# Altium PCB AC_controller_v1_0.PcbDoc (part 1 of 2)
Units mm, origin at the board's own origin, x right, y up, seen from the top; angles counter-clockwise.
Board outline 100 x 100 mm, 2 copper layers (Top Layer, Bottom Layer), stack 1.671 mm thick; 109 components, 91 nets, 361 pads, 43 vias.
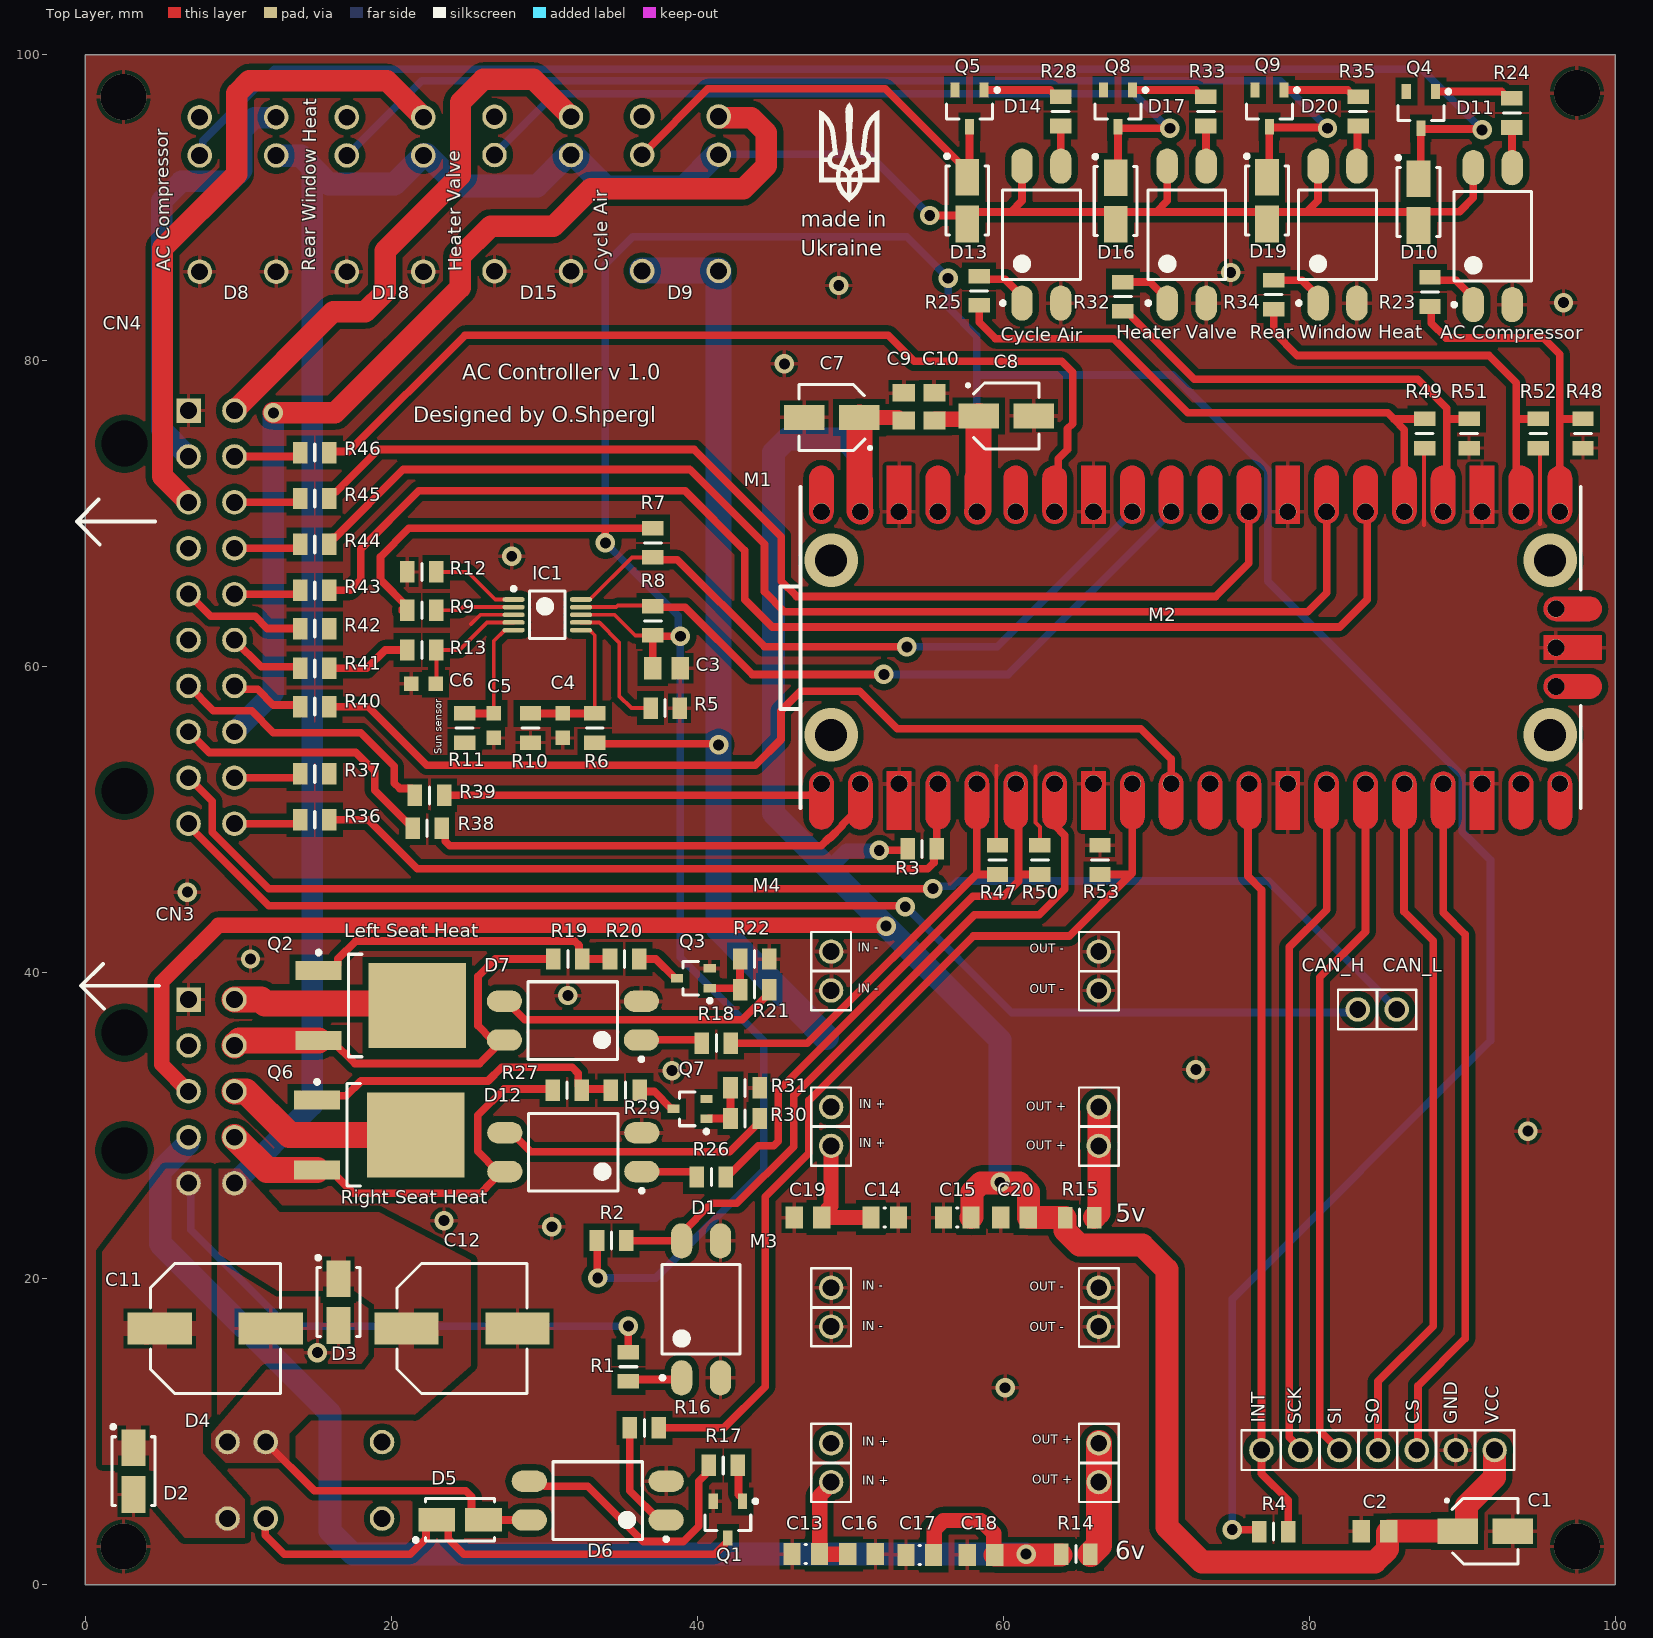
[diagram p0: Top Layer view]
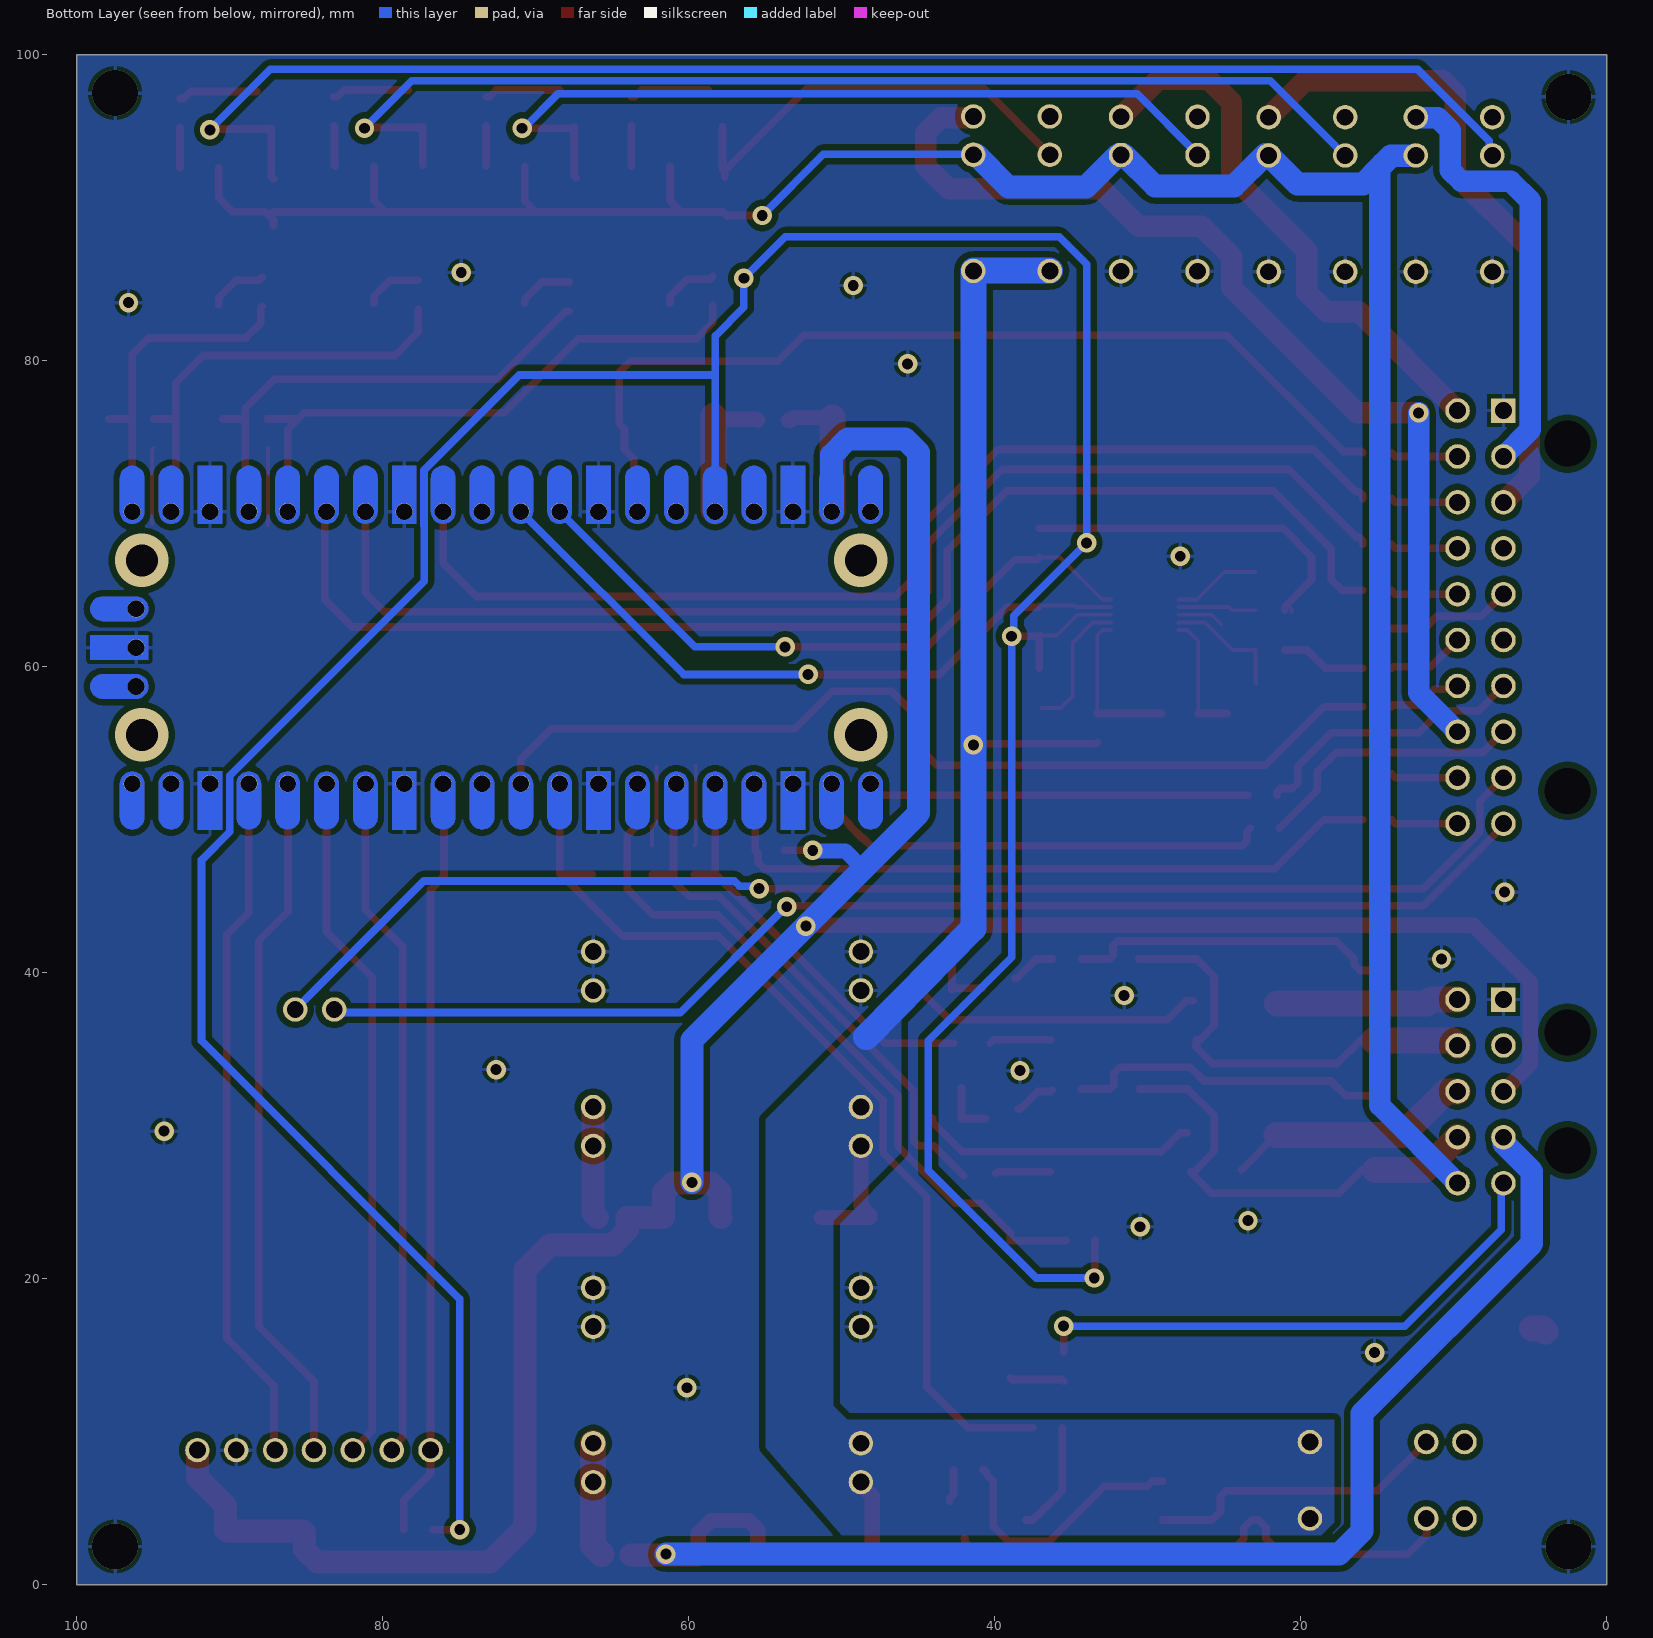
[diagram p1: Bottom Layer view, seen from below]
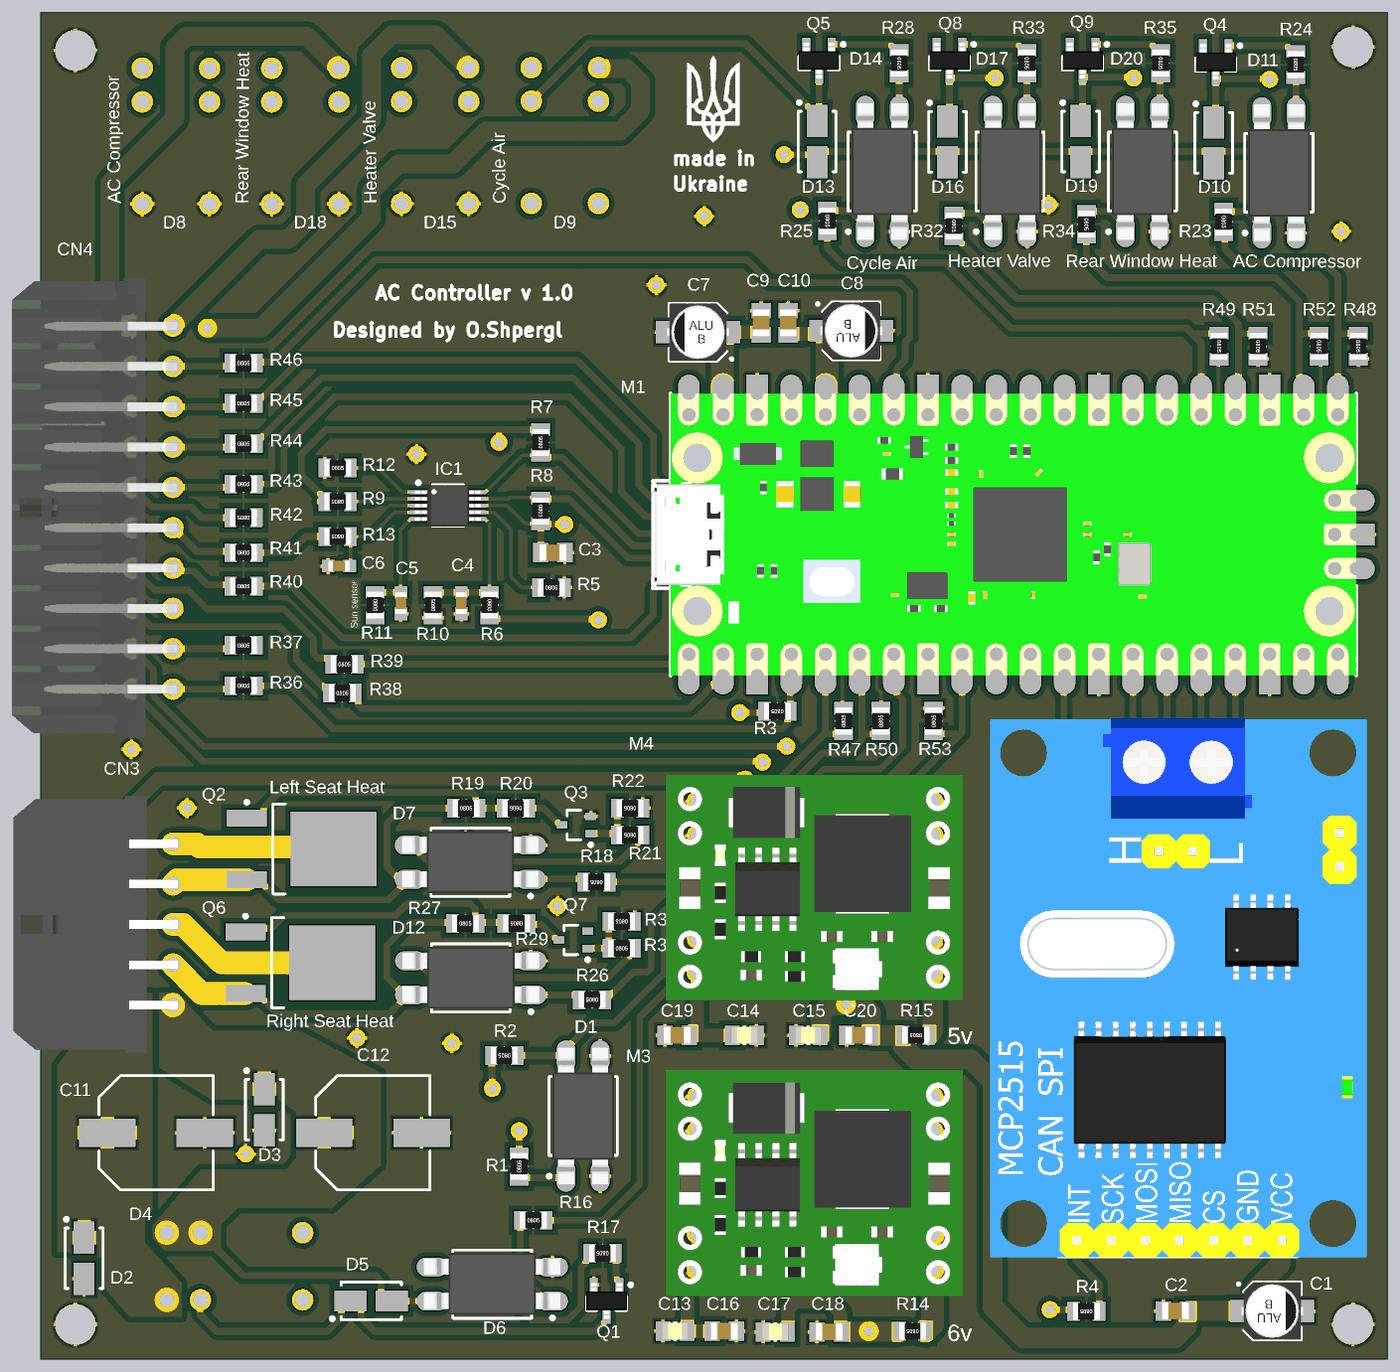
[diagram p3: 3D render of the assembled board from above, using the file's embedded part models]

## Layer stack, top to bottom
Top Solder: solder mask 0.0102, Solder Resist, Dk 3.5
Top Layer: signal copper 0.0356
Dielectric 1: dielectric 1.6, FR-4, Dk 4.8
Bottom Layer: signal copper 0.0356
Bottom Solder: solder mask 0.0102, Solder Resist, Dk 3.5

## Board outline
0,0 0,99.999 100,99.999 100,0

## Design rules (kind name [scope] priority, off if disabled: settings)
Clearance GND-polygon [InNamedPolygon('GND_L02_P005', 'GND_L01_P006')] p1: gap=0.4 ignorepadtopadclearanceinfootprint=FALSE
Clearance [All] p2: gap=0.2 ignorepadtopadclearanceinfootprint=FALSE
HoleSize [All] p1: absolutevalues=TRUE maxlimit=5 minlimit=0.3 maxpercent=80.000 minpercent=20.000
MinimumSolderMaskSliver [All] p1: minsoldermaskwidth=0.2
PolygonConnect GND-connection [All vs IsNamedPolygon('GND_L02_P005', 'GND_L01_P006')] p1: connectstyle=Relief reliefconductorwidth=0.254 reliefentries=4 polygonreliefangle="90 Angle" airgapwidth=0.254
PolygonConnect [All] p2: thpad.connectstyle=Direct thpad.reliefconductorwidth=0.254 thpad.reliefentries=4 thpad.polygonreliefangle="90 Angle" thpad.airgapwidth=0.254 smdpad.connectstyle=Relief smdpad.reliefconductorwidth=1 smdpad.reliefentries=4 smdpad.polygonreliefangle="90 Angle" smdpad.airgapwidth=0.254 via.connectstyle=Direct via.reliefconductorwidth=0.254 via.reliefentries=4 via.polygonreliefangle="90 Angle" via.airgapwidth=0.254
RoutingVias [All] p1: holewidth=0.711 width=1.27 viastyle="Through Hole" minholewidth=0.711 minwidth=1.27 maxholewidth=0.711 maxwidth=1.27
SilkToSolderMaskClearance [IsPad] p1: minsilkscreentomaskgap=0.1 clearancetoexposedcopper=TRUE
SolderMaskExpansion [All] p1: expansion=0.102 istentingtop=FALSE
Width [All] p1: maxlimit=1.7 minlimit=0.254 preferedwidth=0.254
Width VCC-RELAY-OUT [All] p2: maxlimit=1.7 minlimit=0.5 preferedwidth=1
Width VCC-IN [All] p3: maxlimit=1.7 minlimit=1 preferedwidth=1.5
Width ACC-IN [All] p4: maxlimit=1.7 minlimit=0.5 preferedwidth=1.5
Width 5v [All] p5: maxlimit=1 minlimit=0.254 preferedwidth=0.5
Width 3V3-OUT [All] p6: maxlimit=1 minlimit=0.254 preferedwidth=0.5
Width SEAT-HEAT-R-IN [All] p7: maxlimit=1.7 minlimit=0.5 preferedwidth=1
Width SEAT-HEAT-L-IN [All] p8: maxlimit=1.7 minlimit=0.5 preferedwidth=1
27 further rules are at their usual default settings.

## Components (designator, comment, footprint, x,y, rotation, side; value= is the part's Value field where it differs from the comment)
C1 "CAP_POL" CAPAE430X550N 91.5,3.5 r0 top
C2 "CAP" CAPC2012X88N 84.3,3.5 r0 top
C3 "CAP" CAPC2012X88N 38,59.9 r180 top
C4 "CAP" CAPC1608X87N 31.2,56.15 r90 top
C5 "CAP" CAPC1608X87N 26.7,56.15 r90 top
C6 "CAP" CAPC1608X87N 22.1,58.9 r0 top
C7 "CAP_POL" CAPAE430X550N 48.8,76.3 r180 top
C8 "CAP_POL" CAPAE430X550N 60.2,76.4 r0 top
C9 "CAP" CAPC2012X88N 53.5,77 r270 top
C10 "CAP" CAPC2012X88N 55.5,77 r270 top
C11 "CAP_POL" CAPAE9983X102N 8.5,16.75 r0 top
C12 "CAP_POL" CAPAE9983X102N 24.625,16.75 r0 top
C13 "CAP" CAPC2012X140N 47.1,2 r180 top
C14 "CAP" CAPC2012X140N 52.25,24 r0 top
C15 "CAP" CAPC2012X140N 57,24 r180 top
C16 "CAP" CAPC2012X88N 50.75,2 r180 top
C17 "CAP" CAPC2012X140N 54.55,1.95 r0 top
C18 "CAP" CAPC2012X88N 58.55,1.95 r0 top
C19 "CAP" CAPC2012X88N 47.25,24 r0 top
C20 "CAP" CAPC2012X88N 60.75,24 r0 top
CN3 "10 pin Micro Fit 3.0 male connetctor" CN_10pin_MFGK-10 4,32.25 r0 top
CN4 "20 pin Micro Fit 3.0 male connetctor" CN_20pin_MFGK-20 3.75,63.25 r0 top
D1 "IC_LiteOn_LTV817" "IC_LiteOn_ LTV-817S" 40.25,18 r90 top
D2 "DIO_UNIDIRECTIONAL_TVS" DO-214AC 3.15,7.425 r90 top
D3 "DIO_UNIDIRECTIONAL_TVS" DO-214AC 16.55,18.475 r90 top
D4 "MCH_BSC_SS_112L" MCH_BSC_SS_112L 17.3,6.925 r270 top
D5 "DIO" DO-214AC 24.5,4.25 r180 top
D6 "IC_LiteOn_LTV817" "IC_LiteOn_ LTV-817S" 33.5,5.5 r180 top
D7 "IC_LiteOn_LTV817" "IC_LiteOn_ LTV-817S" 31.875,36.875 r180 top
D8 "MCH_BSC_SS_112L" MCH_BSC_SS_112L 10.075,87.925 r180 top
D9 "MCH_BSC_SS_112L" MCH_BSC_SS_112L 39,87.975 r180 top
D10 "DIO" DO-214AC 87.15,90.375 r90 top
D11 "IC_LiteOn_LTV817" "IC_LiteOn_ LTV-817S" 92,88.15 r90 top
D12 "IC_LiteOn_LTV817" "IC_LiteOn_ LTV-817S" 31.9,28.275 r180 top
D13 "DIO" DO-214AC 57.65,90.475 r90 top
D14 "IC_LiteOn_LTV817" "IC_LiteOn_ LTV-817S" 62.5,88.25 r90 top
D15 "MCH_BSC_SS_112L" MCH_BSC_SS_112L 29.35,87.95 r180 top
D16 "DIO" DO-214AC 67.35,90.45 r90 top
D17 "IC_LiteOn_LTV817" "IC_LiteOn_ LTV-817S" 72,88.25 r90 top
D18 "MCH_BSC_SS_112L" MCH_BSC_SS_112L 19.7,87.925 r180 top
D19 "DIO" DO-214AC 77.25,90.475 r90 top
D20 "IC_LiteOn_LTV817" "IC_LiteOn_ LTV-817S" 81.85,88.25 r90 top
IC1 "IC_ADS1115IDGSR" VSSOP-10 30.2,63.4 r0 top
M1 "MOD_Raspberry_Pi_Pico" MOD_Raspberry_Pi_Pico 72.25,61.25 r90 top
M2 "MOD_MCP2515" MOD_MCP2515 76.88,8.8 r90 top
M3 "MOD_MP1584_3A" MOD_MP1584_3A 66.25,6.71 r180 top
M4 "MOD_MP1584_3A" MOD_MP1584_3A 66.25,28.685 r180 top
Q1 "TRS_NPN_123" SOT23 42,4.25 r270 top
Q2 "TRS_FETP_123" DPAK229P991X239-3N 19.35,37.86 r0 top
Q3 "TRS_FETN_123" SOT65P210X110-3N 39.75,39.65 r180 top
Q4 "TRS_NPN_123" SOT23 87.3,96.4 r270 top
Q5 "TRS_NPN_123" SOT23 57.8,96.5 r270 top
Q6 "TRS_FETP_123" DPAK229P991X239-3N 19.25,29.4 r0 top
Q7 "TRS_FETN_123" SOT65P210X110-3N 39.525,31.1 r180 top
Q8 "TRS_NPN_123" SOT23 67.5,96.5 r270 top
Q9 "TRS_NPN_123" SOT23 77.4,96.5 r270 top
R1 "RES" RESC2012X60N 35.5,14.25 r90 top
R2 "RES" RESC2012X60N 34.4,22.5 r180 top
R3 "RES" RESC2012X60N 54.7,48.1 r180 top
R4 "RES" RESC2012X60N 77.675,3.475 r180 top
R5 "RES" RESC2012X60N 37.9,57.3 r0 top
R6 "RES" RESC2012X60N 33.3,56 r270 top
R7 "RES" RESC2012X60N 37.1,68.1 r90 top
R8 "RES" RESC2012X60N 37.1,63 r270 top
R9 "RES" RESC2012X60N 22,63.7 r180 top
R10 "RES" RESC2012X60N 29.1,56 r90 top
R11 "RES" RESC2012X60N 24.8,56 r270 top
R12 "RES" RESC2012X60N 22,66.2 r0 top
R13 "RES" RESC2012X60N 22,61.1 r180 top
R14 "RES" RESC2012X60N 64.75,2 r180 top
R15 "RES" RESC2012X60N 65,24 r180 top
R16 "RES" RESC2012X60N 36.55,10.25 r0 top
R17 "RES" RESC2012X60N 41.7,7.8 r180 top
R18 "RES" RESC2012X60N 41.25,35.4 r180 top
R19 "RES" RESC2012X60N 31.55,40.9 r0 top
R20 "RES" RESC2012X60N 35.25,40.9 r180 top
R21 "RES" RESC2012X60N 43.75,38.9 r180 top
R22 "RES" RESC2012X60N 43.75,40.9 r180 top
R23 "RES" RESC2012X60N 87.9,84.5 r270 top
R24 "RES" RESC2012X60N 93.25,96.2 r270 top
R25 "RES" RESC2012X60N 58.425,84.575 r270 top
R26 "RES" RESC2012X60N 40.925,26.65 r180 top
R27 "RES" RESC2012X60N 31.5,32.325 r0 top
R28 "RES" RESC2012X60N 63.75,96.3 r270 top
R29 "RES" RESC2012X60N 35.3,32.325 r180 top
R30 "RES" RESC2012X60N 43.125,30.475 r0 top
R31 "RES" RESC2012X60N 43.125,32.475 r180 top
R32 "RES" RESC2012X60N 67.825,84.2 r270 top
R33 "RES" RESC2012X60N 73.25,96.3 r270 top
R34 "RES" RESC2012X60N 77.675,84.325 r270 top
R35 "RES" RESC2012X60N 83.2,96.3 r270 top
R36 "RES" RESC2012X60N 15,50 r0 top
R37 "RES" RESC2012X60N 15,53 r0 top
R38 "RES" RESC2012X60N 22.35,49.45 r0 top
R39 "RES" RESC2012X60N 22.5,51.6 r0 top
R40 "RES" RESC2012X60N 15,57.4 r0 top
R41 "RES" RESC2012X60N 15,59.9 r0 top
R42 "RES" RESC2012X60N 15,62.5 r180 top
R43 "RES" RESC2012X60N 15,65 r0 top
R44 "RES" RESC2012X60N 15,68 r0 top
R45 "RES" RESC2012X60N 15,71 r0 top
R46 "RES" RESC2012X60N 15,74 r0 top
R47 "RES" RESC2012X60N 59.625,47.375 r90 top
R48 "RES" RESC2012X60N 97.9,75.25 r270 top
R49 "RES" RESC2012X60N 87.55,75.25 r270 top
R50 "RES" RESC2012X60N 62.4,47.375 r90 top
R51 "RES" RESC2012X60N 90.45,75.25 r270 top
R52 "RES" RESC2012X60N 94.975,75.25 r270 top
R53 "RES" RESC2012X60N 66.325,47.375 r90 top
